# KiCad board rgbwstrip120_250_panel.kicad_pcb (continued)
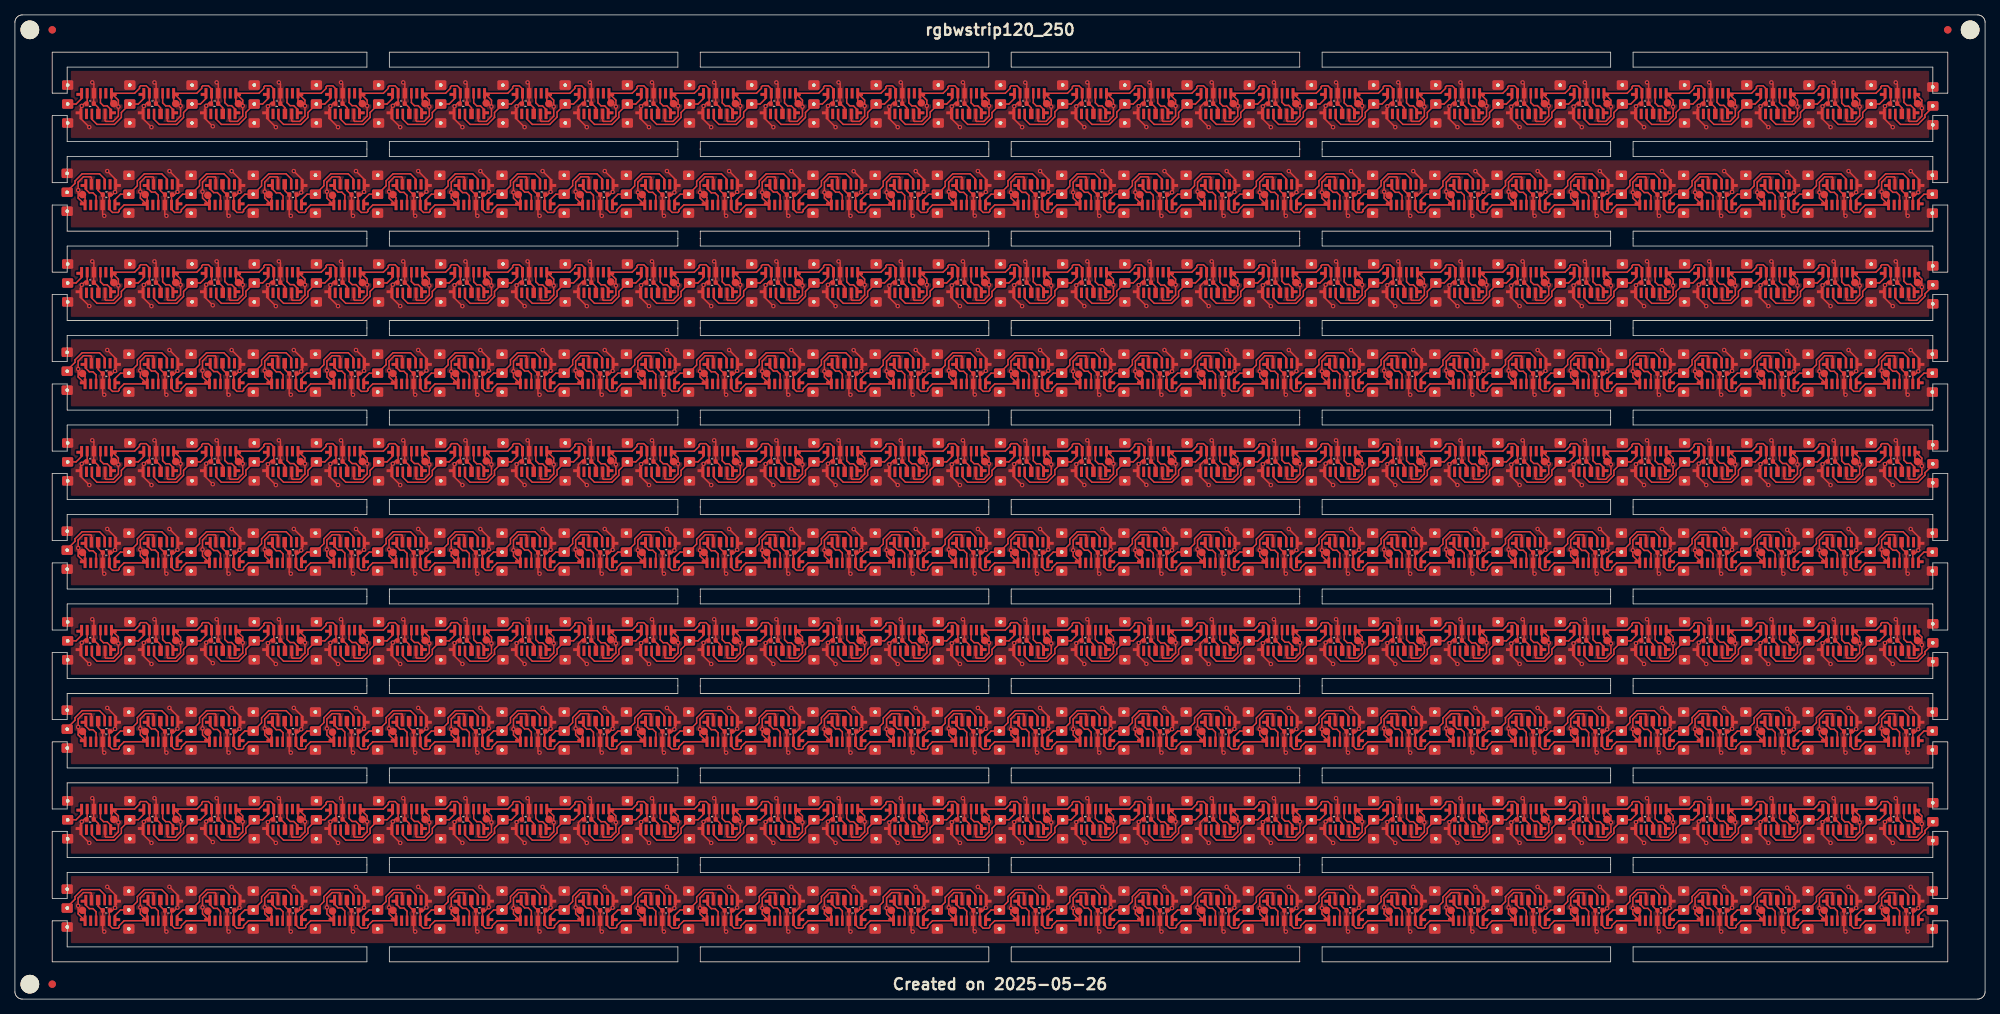
[diagram p0: board, top side]
## Nets (continued)
Board_8-unconnected-(U52-NC-Pad2): U52#4.2
Board_8-unconnected-(U53-NC-Pad2): U53#8.2
Board_8-unconnected-(U54-NC-Pad2): U54#9.2
Board_8-unconnected-(U55-NC-Pad2): U55#9.2
Board_8-unconnected-(U56-NC-Pad2): U56#6.2
Board_8-unconnected-(U57-NC-Pad2): U57#5.2
Board_8-unconnected-(U58-NC-Pad2): U58#9.2
Board_8-unconnected-(U59-NC-Pad2): U59.2
Board_8-unconnected-(U60-NC-Pad2): U60.2
Board_9-+3.3V: C1#2.1 C2#9.1 C3#5.1 C4#10.1 C5#3.1 C6#10.1 C7#2.1 C8.1 C9#2.1 C10#8.1 C11#8.1 C12#4.1 C13#5.1 C14#5.1 C15#3.1 C16#4.1 C17#2.1 C18#9.1 C19#8.1 C20#2.1 C21#8.1 C22#5.1 C23#8.1 C24#3.1 C25#6.1 C26#10.1 C27#7.1 C28#8.1 C29#2.1 C30#4.1 J1#9.1 J2#6.1 J3#2.1 J4#6.1 J5#5.1 J6#4.1 J7#7.1 J8.1 J9#10.1 J10.1 J11#6.1 J12#7.1 J13#9.1 J14#9.1 J15#8.1 J16#7.1 J17#10.1 J18#3.1 J19#10.1 J20.1 J21#10.1 J22#2.1 J23#10.1 J24#4.1 J25#10.1 J26#6.1 J27#8.1 J28#9.1 J29#6.1 J30.1 J31#8.1 K1#3.1 K2#10.1 K3.1 K4.1 K5#4.1 K6#8.1 K7#2.1 K8#2.1 K9#6.1 K10.1 K11#5.1 K12#4.1 K13#9.1 K14#6.1 K15#3.1 K16#2.1 K17#6.1 K18#4.1 K19#2.1 K20#9.1 K21#9.1 K22#7.1 K23#10.1 K24#6.1 K25#5.1 K26.1 K27#8.1 K28#2.1 K29#7.1 K30#4.1 U1#7.1 U1#7.5 U2.1 U2.5 U3#2.1 U3#2.5 U4#2.1 U4#2.5 U5#2.1 U5#2.5 U6#10.1 U6#10.5 U7#4.1 U7#4.5 U8#6.1 U8#6.5 U9#4.1 U9#4.5 U10#10.1 U10#10.5 U11#10.1 U11#10.5 U12#10.1 U12#10.5 U13#5.1 U13#5.5 U14#5.1 U14#5.5 U15#10.1 U15#10.5 U16#2.1 U16#2.5 U17#3.1 U17#3.5 U18.1 U18.5 U19#6.1 U19#6.5 U20.1 U20.5 U21.1 U21.5 U22.1 U22.5 U23#3.1 U23#3.5 U24#2.1 U24#2.5 U25#9.1 U25#9.5 U26#9.1 U26#9.5 U27#10.1 U27#10.5 U28.1 U28.5 U29.1 U29.5 U30#7.1 U30#7.5 U31#6.1 U31#6.5 U32#2.1 U32#2.5 U33#3.1 U33#3.5 U34#6.1 U34#6.5 U35#3.1 U35#3.5 U36#9.1 U36#9.5 U37#2.1 U37#2.5 U38.1 U38.5 U39#6.1 U39#6.5 U40#9.1 U40#9.5 U41#2.1 U41#2.5 U42#3.1 U42#3.5 U43#5.1 U43#5.5 U44#10.1 U44#10.5 U45.1 U45.5 U46#4.1 U46#4.5 U47#5.1 U47#5.5 U48#2.1 U48#2.5 U49.1 U49.5 U50#4.1 U50#4.5 U51#6.1 U51#6.5 U52#8.1 U52#8.5 U53#7.1 U53#7.5 U54#7.1 U54#7.5 U55#4.1 U55#4.5 U56#2.1 U56#2.5 U57#10.1 U57#10.5 U58#3.1 U58#3.5 U59#9.1 U59#9.5 U60#3.1 U60#3.5
Board_9-GND: C1#2.2 C2#9.2 C3#5.2 C4#10.2 C5#3.2 C6#10.2 C7#2.2 C8.2 C9#2.2 C10#8.2 C11#8.2 C12#4.2 C13#5.2 C14#5.2 C15#3.2 C16#4.2 C17#2.2 C18#9.2 C19#8.2 C20#2.2 C21#8.2 C22#5.2 C23#8.2 C24#3.2 C25#6.2 C26#10.2 C27#7.2 C28#8.2 C29#2.2 C30#4.2 J1#9.3 J2#6.3 J3#2.3 J4#6.3 J5#5.3 J6#4.3 J7#7.3 J8.3 J9#10.3 J10.3 J11#6.3 J12#7.3 J13#9.3 J14#9.3 J15#8.3 J16#7.3 J17#10.3 J18#3.3 J19#10.3 J20.3 J21#10.3 J22#2.3 J23#10.3 J24#4.3 J25#10.3 J26#6.3 J27#8.3 J28#9.3 J29#6.3 J30.3 J31#8.3 U1#7.4 U2.4 U3#2.4 U4#2.4 U5#2.4 U6#10.4 U7#4.4 U8#6.4 U9#4.4 U10#10.4 U11#10.4 U12#10.4 U13#5.4 U14#5.4 U15#10.4 U16#2.4 U17#3.4 U18.4 U19#6.4 U20.4 U21.4 U22.4 U23#3.4 U24#2.4 U25#9.4 U26#9.4 U27#10.4 U28.4 U29.4 U30#7.4 U31#6.4 U32#2.4 U33#3.4 U34#6.4 U35#3.4 U36#9.4 U37#2.4 U38.4 U39#6.4 U40#9.4 U41#2.4 U42#3.4 U43#5.4 U44#10.4 U45.4 U46#4.4 U47#5.4 U48#2.4 U49.4 U50#4.4 U51#6.4 U52#8.4 U53#7.4 U54#7.4 U55#4.4 U56#2.4 U57#10.4 U58#3.4 U59#9.4 U60#3.4
Board_9-Net-(J1-Pin_2): J1#9.2 U2.6
Board_9-Net-(J2-Pin_2): J2#6.2 U1#7.3 U4#2.6
Board_9-Net-(J3-Pin_2): J3#2.2 U3#2.3 U6#10.6
Board_9-Net-(J4-Pin_2): J4#6.2 U5#2.3 U8#6.6
Board_9-Net-(J5-Pin_2): J5#5.2 U7#4.3 U10#10.6
Board_9-Net-(J6-Pin_2): J6#4.2 U9#4.3 U12#10.6
Board_9-Net-(J7-Pin_2): J7#7.2 U11#10.3 U14#5.6
Board_9-Net-(J8-Pin_2): J8.2 U13#5.3 U16#2.6
Board_9-Net-(J9-Pin_2): J9#10.2 U15#10.3 U18.6
Board_9-Net-(J10-Pin_2): J10.2 U17#3.3 U20.6
Board_9-Net-(J11-Pin_2): J11#6.2 U19#6.3 U22.6
Board_9-Net-(J12-Pin_2): J12#7.2 U21.3 U24#2.6
Board_9-Net-(J13-Pin_2): J13#9.2 U23#3.3 U26#9.6
Board_9-Net-(J14-Pin_2): J14#9.2 U25#9.3 U28.6
Board_9-Net-(J15-Pin_2): J15#8.2 U27#10.3 U30#7.6
Board_9-Net-(J16-Pin_2): J16#7.2 U29.3 U32#2.6
Board_9-Net-(J17-Pin_2): J17#10.2 U31#6.3 U34#6.6
Board_9-Net-(J18-Pin_2): J18#3.2 U33#3.3 U36#9.6
Board_9-Net-(J19-Pin_2): J19#10.2 U35#3.3 U38.6
Board_9-Net-(J20-Pin_2): J20.2 U37#2.3 U40#9.6
Board_9-Net-(J21-Pin_2): J21#10.2 U39#6.3 U42#3.6
Board_9-Net-(J22-Pin_2): J22#2.2 U41#2.3 U44#10.6
Board_9-Net-(J23-Pin_2): J23#10.2 U43#5.3 U46#4.6
Board_9-Net-(J24-Pin_2): J24#4.2 U45.3 U48#2.6
Board_9-Net-(J25-Pin_2): J25#10.2 U47#5.3 U50#4.6
Board_9-Net-(J26-Pin_2): J26#6.2 U49.3 U52#8.6
Board_9-Net-(J27-Pin_2): J27#8.2 U51#6.3 U54#7.6
Board_9-Net-(J28-Pin_2): J28#9.2 U53#7.3 U56#2.6
Board_9-Net-(J29-Pin_2): J29#6.2 U55#4.3 U58#3.6
Board_9-Net-(J30-Pin_2): J30.2 U57#10.3 U60#3.6
Board_9-Net-(J31-Pin_2): J31#8.2 U59#9.3
Board_9-Net-(U1-DIN): U1#7.6 U2.3
Board_9-Net-(U3-DIN): U3#2.6 U4#2.3
Board_9-Net-(U5-DIN): U5#2.6 U6#10.3
Board_9-Net-(U7-DIN): U7#4.6 U8#6.3
Board_9-Net-(U10-DOUT): U9#4.6 U10#10.3
Board_9-Net-(U11-DIN): U11#10.6 U12#10.3
Board_9-Net-(U13-DIN): U13#5.6 U14#5.3
Board_9-Net-(U15-DIN): U15#10.6 U16#2.3
Board_9-Net-(U17-DIN): U17#3.6 U18.3
Board_9-Net-(U19-DIN): U19#6.6 U20.3
Board_9-Net-(U21-DIN): U21.6 U22.3
Board_9-Net-(U23-DIN): U23#3.6 U24#2.3
Board_9-Net-(U25-DIN): U25#9.6 U26#9.3
Board_9-Net-(U27-DIN): U27#10.6 U28.3
Board_9-Net-(U29-DIN): U29.6 U30#7.3
Board_9-Net-(U31-DIN): U31#6.6 U32#2.3
Board_9-Net-(U33-DIN): U33#3.6 U34#6.3
Board_9-Net-(U35-DIN): U35#3.6 U36#9.3
Board_9-Net-(U37-DIN): U37#2.6 U38.3
Board_9-Net-(U39-DIN): U39#6.6 U40#9.3
Board_9-Net-(U41-DIN): U41#2.6 U42#3.3
Board_9-Net-(U43-DIN): U43#5.6 U44#10.3
Board_9-Net-(U45-DIN): U45.6 U46#4.3
Board_9-Net-(U47-DIN): U47#5.6 U48#2.3
Board_9-Net-(U49-DIN): U49.6 U50#4.3
Board_9-Net-(U51-DIN): U51#6.6 U52#8.3
Board_9-Net-(U53-DIN): U53#7.6 U54#7.3
Board_9-Net-(U55-DIN): U55#4.6 U56#2.3
Board_9-Net-(U57-DIN): U57#10.6 U58#3.3
Board_9-Net-(U59-DIN): U59#9.6 U60#3.3
Board_9-unconnected-(U1-NC-Pad2): U1#7.2
Board_9-unconnected-(U2-NC-Pad2): U2.2
Board_9-unconnected-(U3-NC-Pad2): U3#2.2
Board_9-unconnected-(U4-NC-Pad2): U4#2.2
Board_9-unconnected-(U5-NC-Pad2): U5#2.2
Board_9-unconnected-(U6-NC-Pad2): U6#10.2
Board_9-unconnected-(U7-NC-Pad2): U7#4.2
Board_9-unconnected-(U8-NC-Pad2): U8#6.2
Board_9-unconnected-(U9-NC-Pad2): U9#4.2
Board_9-unconnected-(U10-NC-Pad2): U10#10.2
Board_9-unconnected-(U11-NC-Pad2): U11#10.2
Board_9-unconnected-(U12-NC-Pad2): U12#10.2
Board_9-unconnected-(U13-NC-Pad2): U13#5.2
Board_9-unconnected-(U14-NC-Pad2): U14#5.2
Board_9-unconnected-(U15-NC-Pad2): U15#10.2
Board_9-unconnected-(U16-NC-Pad2): U16#2.2
Board_9-unconnected-(U17-NC-Pad2): U17#3.2
Board_9-unconnected-(U18-NC-Pad2): U18.2
Board_9-unconnected-(U19-NC-Pad2): U19#6.2
Board_9-unconnected-(U20-NC-Pad2): U20.2
Board_9-unconnected-(U21-NC-Pad2): U21.2
Board_9-unconnected-(U22-NC-Pad2): U22.2
Board_9-unconnected-(U23-NC-Pad2): U23#3.2
Board_9-unconnected-(U24-NC-Pad2): U24#2.2
Board_9-unconnected-(U25-NC-Pad2): U25#9.2
Board_9-unconnected-(U26-NC-Pad2): U26#9.2
Board_9-unconnected-(U27-NC-Pad2): U27#10.2
Board_9-unconnected-(U28-NC-Pad2): U28.2
Board_9-unconnected-(U29-NC-Pad2): U29.2
Board_9-unconnected-(U30-NC-Pad2): U30#7.2
Board_9-unconnected-(U31-NC-Pad2): U31#6.2
Board_9-unconnected-(U32-NC-Pad2): U32#2.2
Board_9-unconnected-(U33-NC-Pad2): U33#3.2
Board_9-unconnected-(U34-NC-Pad2): U34#6.2
Board_9-unconnected-(U35-NC-Pad2): U35#3.2
Board_9-unconnected-(U36-NC-Pad2): U36#9.2
Board_9-unconnected-(U37-NC-Pad2): U37#2.2
Board_9-unconnected-(U38-NC-Pad2): U38.2
Board_9-unconnected-(U39-NC-Pad2): U39#6.2
Board_9-unconnected-(U40-NC-Pad2): U40#9.2
Board_9-unconnected-(U41-NC-Pad2): U41#2.2
Board_9-unconnected-(U42-NC-Pad2): U42#3.2
Board_9-unconnected-(U43-NC-Pad2): U43#5.2
Board_9-unconnected-(U44-NC-Pad2): U44#10.2
Board_9-unconnected-(U45-NC-Pad2): U45.2
Board_9-unconnected-(U46-NC-Pad2): U46#4.2
Board_9-unconnected-(U47-NC-Pad2): U47#5.2
Board_9-unconnected-(U48-NC-Pad2): U48#2.2
Board_9-unconnected-(U49-NC-Pad2): U49.2
Board_9-unconnected-(U50-NC-Pad2): U50#4.2
Board_9-unconnected-(U51-NC-Pad2): U51#6.2
Board_9-unconnected-(U52-NC-Pad2): U52#8.2
Board_9-unconnected-(U53-NC-Pad2): U53#7.2
Board_9-unconnected-(U54-NC-Pad2): U54#7.2
Board_9-unconnected-(U55-NC-Pad2): U55#4.2
Board_9-unconnected-(U56-NC-Pad2): U56#2.2
Board_9-unconnected-(U57-NC-Pad2): U57#10.2
Board_9-unconnected-(U58-NC-Pad2): U58#3.2
Board_9-unconnected-(U59-NC-Pad2): U59#9.2
Board_9-unconnected-(U60-NC-Pad2): U60#3.2

## Via types
v1: diameter 0.6, hole 0.3, Top to Bottom, 1180 vias

## Routing (per net, layer and track width the routed paths; a pad name or vN(x,y) marks a point on that pad's centre or on a via; arc(x,y) is an arc through that point)
Board_0-+3.3V: length 592.6
  Top w0.2: U58#7.1 249.37,121.49 250.03,122.15 250.03,122.35 250.18,122.5 250.93,122.5 251.35,122.07 U60#8.5 251.35,120.25 251.27,120.17 250.99,120.17 v1(250.59,119.76) 250.5,119.68 250.5,118.84 ; U58#7.1 247.2,120.56 v1(247.2,119.7) 247.2,118.42 246.49,117.72 245.52,117.72 245.42,117.82 U57.5 ; U58#7.1 246.27,120.38 K25#10.1 ; v1(84.96,116.95) 83.83,118.08 U19#9.1 ; 46.41,121.43 46.35,121.49 ; U57.1 242.17,118.08 v1(243.3,116.95) ; U39#10.1 167.17,118.08 v1(168.3,116.95) ; 175.5,118.84 175.5,119.68 v1(175.64,119.81) 175.99,120.17 176.27,120.17 176.35,120.25 U42#6.5 176.35,122.07 175.93,122.5 175.18,122.5 175.03,122.35 175.03,122.15 174.37,121.49 U40#7.1 ; 71.41,121.43 71.35,121.49 ; U30#3.1 129.6,120.45 K18#8.1 ; U30#3.1 130.53,120.56 v1(130.53,119.8) 130.53,118.42 129.83,117.72 128.86,117.72 128.75,117.82 U29#2.5 ; U30#3.1 132.71,121.49 133.36,122.15 133.36,122.35 133.51,122.5 134.26,122.5 134.68,122.07 U32#5.5 134.68,120.25 134.6,120.17 134.32,120.17 v1(133.9,119.75) 133.83,119.68 133.83,118.84 ; U16#5.1 71.27,120.38 K2.1 ; U16#5.1 74.37,121.49 75.03,122.15 75.03,122.35 75.18,122.5 75.93,122.5 76.35,122.07 U18#5.5 76.35,120.25 76.27,120.17 75.99,120.17 75.5,119.68 75.5,118.84 ; U16#5.1 72.2,120.56 v1(72.2,119.7) 72.2,118.42 71.49,117.72 70.52,117.72 70.42,117.82 U15#7.5 ; U52#7.1 221.27,120.38 K19.1 ; U52#7.1 222.2,120.56 v1(222.2,119.7) 222.2,118.42 221.49,117.72 220.52,117.72 220.42,117.82 U51#9.5 ; U52#7.1 224.37,121.49 225.03,122.15 225.03,122.35 225.18,122.5 225.93,122.5 226.35,122.07 U54#4.5 226.35,120.25 226.27,120.17 225.99,120.17 v1(225.64,119.81) 225.5,119.68 225.5,118.84 ; 229.74,121.43 229.68,121.49 ; U10#4.1 46.27,120.38 K16.1 ; U10#4.1 47.2,120.56 v1(47.2,119.8) 47.2,118.42 46.49,117.72 45.52,117.72 45.42,117.82 U9#2.5 ; U10#4.1 49.37,121.49 50.03,122.15 50.03,122.35 50.18,122.5 50.93,122.5 51.35,122.07 U12.5 51.35,120.25 51.27,120.17 50.99,120.17 v1(50.64,119.81) 50.5,119.68 50.5,118.84 ; U13#4.5 62.08,117.82 62.19,117.72 63.16,117.72 63.86,118.42 v1(63.85,119.7) ; U4#8.1 24.37,121.49 25.03,122.15 25.03,122.35 25.18,122.5 25.93,122.5 26.35,122.07 U6#4.5 26.35,120.25 26.27,120.17 25.99,120.17 v1(25.64,119.81) 25.5,119.68 25.5,118.84 ; U4#8.1 21.55,121.21 ; U4#8.1 22.2,120.56 v1(22.2,119.8) 22.2,118.42 21.49,117.72 20.52,117.72 20.42,117.82 U3#8.5 ; U4#8.1 21.27,120.38 K6#4.1 ; 42.17,118.84 42.17,119.68 v1(42.27,119.78) 42.66,120.17 42.94,120.17 43.02,120.25 U10#4.5 43.02,122.07 42.59,122.5 41.85,122.5 41.7,122.35 41.7,122.15 41.04,121.49 U8#3.1 ; U7#7.5 37.08,117.82 37.19,117.72 38.16,117.72 38.86,118.42 v1(38.86,119.8) 38.86,120.56 U8#3.1 ; 67.17,118.84 67.17,119.68 v1(67.22,119.73) 67.66,120.17 67.94,120.17 68.02,120.25 U16#5.5 68.02,122.07 67.59,122.5 66.85,122.5 66.7,122.35 66.7,122.15 66.04,121.49 U14#6.1 ; U36.1 155.53,120.56 v1(155.53,119.8) 155.53,118.42 154.83,117.72 153.86,117.72 153.75,117.82 U35#6.5 ; U36.1 154.6,120.45 K30#8.1 ; U36.1 157.71,121.49 158.36,122.15 158.36,122.35 158.51,122.5 159.26,122.5 159.68,122.07 U38#4.5 159.68,120.25 159.6,120.17 159.32,120.17 158.83,119.68 158.83,118.84 ; U21#9.5 95.42,117.82 95.52,117.72 96.49,117.72 97.2,118.42 v1(97.2,119.8) 97.2,120.56 U22#2.1 ; U32#5.1 141.04,121.49 141.7,122.15 141.7,122.35 141.85,122.5 142.59,122.5 143.02,122.07 U34#5.5 143.02,120.25 142.94,120.17 142.66,120.17 v1(142.22,119.73) 142.17,119.68 142.17,118.84 ; U32#5.1 138.86,120.56 v1(138.86,119.7) 138.86,118.42 138.16,117.72 137.19,117.72 137.08,117.82 U31#9.5 ; U32#5.1 137.93,120.42 K8#5.1 ; v1(101.63,116.95) 100.5,118.08 U23#8.1 ; U12.1 55.53,120.56 v1(55.53,119.7) 55.53,118.42 54.83,117.72 53.86,117.72 53.75,117.82 U11#7.5 ; U12.1 54.6,120.45 K11#8.1 ; U12.1 57.71,121.49 58.36,122.15 58.36,122.35 58.51,122.5 59.26,122.5 59.68,122.07 U14#6.5 59.68,120.25 59.6,120.17 59.32,120.17 v1(58.9,119.75) 58.83,119.68 58.83,118.84 ; K13#8.1 121.27,120.38 U28#4.1 ; K20#10.1 237.93,120.42 U56#4.1 ; v1(184.96,116.95) 183.83,118.08 U43#2.1 ; U41#7.1 175.5,118.08 v1(176.63,116.95) ; v1(63.85,119.7) 63.86,120.56 U14#6.1 ; v1(63.85,119.7) 63.38,120.17 K27#9.1 62.93,120.38 U14#6.1 ; 146.41,121.43 146.35,121.49 ; U1#3.5 12.08,117.82 12.19,117.72 13.16,117.72 13.86,118.42 v1(13.86,119.7) 13.86,120.56 U2#9.1 ; K17#5.1 104.6,120.45 U24#4.1 ; U50.1 216.04,121.49 216.7,122.15 216.7,122.35 216.85,122.5 217.59,122.5 218.02,122.07 U52#7.5 218.02,120.25 217.94,120.17 217.66,120.17 v1(217.22,119.73) 217.17,119.68 217.17,118.84 ; U50.1 212.93,120.52 K15#2.1 ; U50.1 213.86,120.56 v1(213.86,119.7) 213.86,118.42 213.16,117.72 212.19,117.72 212.08,117.82 U49#3.5 ; U51#9.1 217.17,118.08 v1(218.3,116.95) ; U2#9.1 16.04,121.49 16.7,122.15 16.7,122.35 16.85,122.5 17.59,122.5 18.02,122.07 U4#8.5 18.02,120.25 17.94,120.17 17.66,120.17 v1(17.27,119.78) 17.17,119.68 17.17,118.84 ; U2#9.1 12.93,120.42 K1#5.1 ; U2#9.1 13.25,121.18 ; U40#7.1 171.27,120.48 K9#10.1 ; U40#7.1 172.2,120.56 v1(172.2,119.8) 172.2,118.42 171.49,117.72 170.52,117.72 170.42,117.82 U39#10.5 ; 79.74,121.43 79.68,121.49 ; 200.5,118.84 v1(200.5,119.68) 200.99,120.17 201.27,120.17 201.35,120.25 U48#10.5 201.35,122.07 200.93,122.5 200.18,122.5 200.03,122.35 200.03,122.15 199.37,121.49 U46.1 ; U54#4.1 232.71,121.49 233.36,122.15 233.36,122.35 233.51,122.5 234.26,122.5 234.68,122.07 U56#4.5 234.68,120.25 234.6,120.17 234.32,120.17 v1(233.9,119.75) 233.83,119.68 233.83,118.84 ; U54#4.1 229.6,120.45 K24#4.1 ; U54#4.1 230.53,120.56 v1(230.53,119.7) 230.53,118.42 229.83,117.72 228.86,117.72 228.75,117.82 U53#5.5 ; U37#8.5 162.08,117.82 162.19,117.72 163.16,117.72 163.86,118.42 v1(163.86,119.8) 163.86,120.56 U38#4.1 ; 183.83,118.84 183.83,119.68 v1(183.9,119.75) 184.32,120.17 184.6,120.17 184.68,120.25 U44#9.5 184.68,122.07 184.26,122.5 183.51,122.5 183.36,122.35 183.36,122.15 182.71,121.49 U42#6.1 ; U18#5.1 82.71,121.49 83.36,122.15 83.36,122.35 83.51,122.5 84.26,122.5 84.68,122.07 U20#4.5 84.68,120.25 84.6,120.17 84.32,120.17 v1(83.9,119.75) 83.83,119.68 83.83,118.84 ; U18#5.1 80.53,120.56 v1(80.53,119.7) ; U18#5.1 79.6,120.45 K7#9.1 80.03,120.2 v1(80.53,119.7) ; U20#4.1 87.93,120.42 K12#3.1 ; U20#4.1 91.04,121.49 91.7,122.15 91.7,122.35 91.85,122.5 92.59,122.5 93.02,122.07 U22#2.5 93.02,120.25 92.94,120.17 92.66,120.17 v1(92.27,119.78) 92.17,119.68 92.17,118.84 ; U20#4.1 88.86,120.56 v1(88.86,119.8) 88.86,118.42 88.16,117.72 87.19,117.72 87.08,117.82 U19#9.5 ; U8#3.1 38.25,121.17 ; U8#3.1 37.93,120.42 K21#8.1 ; U42#6.1 179.6,120.45 K10#10.1 ; U42#6.1 180.53,120.56 v1(180.53,119.8) 180.53,118.42 179.83,117.72 178.86,117.72 178.75,117.82 U41#7.5 ; U47#9.1 200.5,118.08 v1(201.63,116.95) ; v1(80.53,119.7) 80.53,118.42 79.83,117.72 78.86,117.72 78.75,117.82 U17#7.5 ; U47#9.5 203.75,117.82 203.86,117.72 204.83,117.72 205.53,118.42 v1(205.53,119.8) 205.53,120.56 U48#10.1 ; U15#7.1 67.17,118.08 v1(68.3,116.95) ; U9#2.1 42.17,118.08 v1(43.3,116.95) ; U22#2.1 96.27,120.38 K22#10.1 ; U22#2.1 99.37,121.49 100.03,122.15 100.03,122.35 100.18,122.5 100.93,122.5 101.35,122.07 U24#4.5 101.35,120.25 101.27,120.17 100.99,120.17 v1(100.59,119.76) 100.5,119.68 100.5,118.84 ; U46.1 197.2,120.56 v1(197.2,119.8) 197.2,118.42 196.49,117.72 195.52,117.72 195.42,117.82 U45#6.5 ; U46.1 196.27,120.38 K23#9.1 ; v1(234.96,116.95) 233.83,118.08 U55#6.1 ; U13#4.1 58.83,118.08 v1(59.96,116.95) ; U56#4.1 238.86,120.56 v1(238.86,119.7) 238.86,118.42 238.16,117.72 237.19,117.72 237.08,117.82 U55#6.5 ; U56#4.1 241.04,121.49 241.7,122.15 241.7,122.35 241.85,122.5 242.59,122.5 243.02,122.07 U58#7.5 243.02,120.25 242.94,120.17 242.66,120.17 v1(242.22,119.73) 242.17,119.68 242.17,118.84 ; U28#4.1 122.2,120.56 v1(122.2,119.8) 122.2,118.42 121.49,117.72 120.52,117.72 120.42,117.82 U27#8.5 ; U28#4.1 124.37,121.49 125.03,122.15 125.03,122.35 125.18,122.5 125.93,122.5 126.35,122.07 U30#3.5 126.35,120.25 126.27,120.17 125.99,120.17 v1(125.54,119.71) 125.5,119.68 125.5,118.84 ; 246.41,121.43 246.35,121.49 ; U48#10.1 204.6,120.45 K28#7.1 ; U48#10.1 207.71,121.49 208.36,122.15 208.36,122.35 208.51,122.5 209.26,122.5 209.68,122.07 U50.5 209.68,120.25 209.6,120.17 209.32,120.17 v1(208.85,119.7) 208.83,119.68 208.83,118.84 ; U5#7.5 28.75,117.82 28.86,117.72 29.83,117.72 30.53,118.42 v1(30.53,119.8) 30.53,120.56 U6#4.1 ; U21#9.1 92.17,118.08 v1(93.3,116.95) ; U31#9.1 133.83,118.08 v1(134.96,116.95) ; U34#5.1 146.27,120.38 K4#8.1 ; U34#5.1 147.2,120.56 v1(147.2,119.8) 147.2,118.42 146.49,117.72 145.52,117.72 145.42,117.82 U33#5.5 ; U34#5.1 149.37,121.49 150.03,122.15 150.03,122.35 150.18,122.5 150.93,122.5 151.35,122.07 U36.5 151.35,120.25 151.27,120.17 150.99,120.17 v1(150.59,119.76) 150.5,119.68 150.5,118.84 ; 108.83,118.84 108.83,119.68 v1(108.95,119.8) 109.32,120.17 109.6,120.17 109.68,120.25 U26#4.5 109.68,122.07 109.26,122.5 108.51,122.5 108.36,122.35 108.36,122.15 107.71,121.49 U24#4.1 ; 121.41,121.43 121.35,121.49 ; 26.63,116.95 v1(26.51,117.06) 25.5,118.08 U5#7.1 ; 213.08,121.43 213.02,121.49 ; K14#9.1 187.93,120.42 U44#9.1 ; v1(109.96,116.95) 108.83,118.08 U25#8.1 ; 33.83,118.84 33.83,119.68 v1(33.9,119.75) 34.32,120.17 34.6,120.17 34.68,120.25 U8#3.5 34.68,122.07 34.26,122.5 33.51,122.5 33.36,122.35 33.36,122.15 32.71,121.49 U6#4.1 ; U53#5.1 225.5,118.08 v1(226.63,116.95) ; K5#5.1 162.93,120.42 U38#4.1 ; 179.74,121.43 179.68,121.49 ; U7#7.1 33.83,118.08 v1(34.96,116.95) ; v1(118.3,116.95) 117.17,118.08 U27#8.1 ; U35#6.1 150.5,118.08 v1(151.61,116.96) 151.63,116.95 ; 163.08,121.43 163.02,121.49 ; 196.41,121.43 196.35,121.49 ; 167.17,118.84 167.17,119.68 v1(167.22,119.73) 167.66,120.17 167.94,120.17 168.02,120.25 U40#7.5 168.02,122.07 167.59,122.5 166.85,122.5 166.7,122.35 166.7,122.15 166.04,121.49 U38#4.1 ; U25#8.5 112.08,117.82 112.19,117.72 113.16,117.72 113.86,118.42 v1(113.86,119.8) 113.86,120.56 U26#4.1 ; U1#3.1 8.83,118.08 v1(9.96,116.95) ; U44#9.1 188.86,120.56 v1(188.86,119.7) 188.86,118.42 188.16,117.72 187.19,117.72 187.08,117.82 U43#2.5 ; U44#9.1 191.04,121.49 191.7,122.15 191.7,122.35 191.85,122.5 192.59,122.5 193.02,122.07 U46.5 193.02,120.25 192.94,120.17 192.66,120.17 v1(192.22,119.73) 192.17,119.68 192.17,118.84 ; U24#4.1 105.53,120.56 v1(105.53,119.7) 105.53,118.42 104.83,117.72 103.86,117.72 103.75,117.82 U23#8.5 ; 54.74,121.43 54.68,121.49 ; 254.74,121.43 254.68,121.49 ; 96.41,121.43 96.35,121.49 ; U37#8.1 158.83,118.08 v1(159.96,116.95) ; U17#7.1 75.5,118.08 v1(76.63,116.95) ; 204.74,121.43 204.68,121.49 ; 8.83,118.84 8.83,119.68 v1(8.95,119.8) 9.32,120.17 9.6,120.17 9.68,120.25 U2#9.5 9.68,122.07 ; U45#6.1 192.17,118.08 v1(193.3,116.95) ; v1(126.63,116.95) 125.5,118.08 U29#2.1 ; 188.08,121.43 188.02,121.49 ; 104.74,121.43 104.68,121.49 ; U59#10.5 253.75,117.82 253.86,117.72 254.83,117.72 255.53,118.42 v1(255.53,119.5) 255.53,120.56 U60#8.1 254.6,120.45 K29#6.1 ; U26#4.1 116.04,121.49 116.7,122.15 116.7,122.35 116.85,122.5 117.59,122.5 118.02,122.07 U28#4.5 118.02,120.25 117.94,120.17 117.66,120.17 v1(117.17,119.68) 117.17,119.68 117.17,118.84 ; U26#4.1 112.93,120.42 K3#5.1 ; 171.41,121.43 171.35,121.49 ; U11#7.1 50.5,118.08 v1(51.63,116.95) ; U49#3.1 208.83,118.08 v1(209.96,116.95) ; v1(251.63,116.95) 250.5,118.08 U59#10.1 ; 29.74,121.43 29.68,121.49 ; U3#8.1 17.17,118.08 v1(18.3,116.95) ; U6#4.1 29.6,120.45 K26#4.1 ; 138.08,121.43 138.02,121.49 ; v1(143.3,116.95) 142.17,118.08 U33#5.1 ; 88.08,121.43 88.02,121.49 ; 13.08,121.43 13.02,121.49 ; 238.08,121.43 238.02,121.49 ; 113.08,121.43 113.02,121.49 ; 38.08,121.43 38.02,121.49 ; 154.74,121.43 154.68,121.49 ; 21.41,121.43 21.35,121.49 ; 129.74,121.43 129.68,121.49 ; 63.08,121.43 63.02,121.49 ; 221.41,121.43 221.35,121.49
Board_0-GND: length 133.9
  Top w0.2: v1(218.7,122.95) 218.92,122.73 U52#7.4 218.9,121.47 218.9,120.17 219.52,119.55 219.52,118.84 ; v1(35.36,122.95) 35.58,122.73 U8#3.4 35.56,121.47 35.56,120.17 36.18,119.55 36.18,118.84 ; 69.52,118.84 69.52,119.55 68.9,120.17 68.9,121.47 U16#5.4 68.92,122.73 v1(68.7,122.95) ; 202.85,118.84 202.85,119.55 202.23,120.17 202.23,121.47 U48#10.4 202.25,122.73 v1(202.03,122.95) ; 194.52,118.84 194.52,119.55 193.9,120.17 193.9,121.47 U46.4 193.92,122.73 v1(193.7,122.95) ; v1(27.03,122.95) 27.25,122.73 U6#4.4 27.23,121.47 27.23,120.17 27.85,119.55 27.85,118.84 ; 135.36,122.95 v1(135.38,122.93) 135.58,122.73 U32#5.4 135.56,121.47 135.56,120.17 136.18,119.55 136.18,118.84 ; 77.85,118.84 77.85,119.55 77.23,120.17 77.23,121.47 U18#5.4 77.25,122.73 v1(77.03,122.95) ; 236.18,118.84 236.18,119.55 235.56,120.17 235.56,121.47 U56#4.4 235.58,122.73 v1(235.36,122.95) ; v1(118.7,122.95) 118.92,122.73 U28#4.4 118.9,121.47 118.9,120.17 119.52,119.55 119.52,118.84 ; v1(143.7,122.95) 143.92,122.73 U34#5.4 143.9,121.47 143.9,120.17 144.52,119.55 144.52,118.84 ; v1(168.7,122.95) 168.92,122.73 U40#7.4 168.9,121.47 168.9,120.17 169.52,119.55 169.52,118.84 ; 102.85,118.84 102.85,119.55 102.23,120.17 102.23,121.47 U24#4.4 102.25,122.73 v1(102.03,122.95) ; 177.85,118.84 177.85,119.55 177.23,120.17 177.23,121.47 U42#6.4 177.25,122.73 v1(177.03,122.95) ; 243.7,122.95 v1(243.7,122.95) 243.92,122.73 U58#7.4 243.9,121.47 243.9,120.17 244.52,119.55 244.52,118.84 ; 86.18,118.84 86.18,119.55 85.56,120.17 85.56,121.47 U20#4.4 85.58,122.73 v1(85.36,122.95) ; 111.18,118.84 111.18,119.55 110.56,120.17 110.56,121.47 U26#4.4 110.58,122.73 v1(110.36,122.95) ; v1(152.03,122.95) 152.25,122.73 U36.4 152.23,121.47 152.23,120.17 152.85,119.55 152.85,118.84 ; v1(210.36,122.95) 210.58,122.73 U50.4 210.56,121.47 210.56,120.17 211.18,119.55 211.18,118.84 ; 161.18,118.84 161.18,119.55 160.56,120.17 160.56,121.47 U38#4.4 160.58,122.73 v1(160.36,122.95) ; v1(93.7,122.95) 93.92,122.73 U22#2.4 93.9,121.47 93.9,120.17 94.52,119.55 94.52,118.84 ; v1(185.36,122.95) 185.58,122.73 U44#9.4 185.56,121.47 185.56,120.17 186.18,119.55 186.18,118.84 ; v1(252.03,122.95) 252.25,122.73 U60#8.4 252.23,121.47 252.23,120.17 252.85,119.55 252.85,118.84 ; 11.18,118.84 11.18,119.55 10.56,120.17 10.56,121.47 U2#9.4 10.58,122.73 v1(10.36,122.95) ; v1(43.7,122.95) 43.92,122.73 U10#4.4 43.9,121.47 43.9,120.17 44.52,119.55 44.52,118.84 ; 19.52,118.84 19.52,119.55 18.9,120.17 18.9,121.47 U4#8.4 18.92,122.73 v1(18.7,122.95) ; v1(52.03,122.95) 52.25,122.73 U12.4 52.23,121.47 52.23,120.17 52.85,119.55 52.85,118.84 ; v1(127.03,122.95) 127.25,122.73 U30#3.4 127.23,121.47 127.23,120.17 127.85,119.55 127.85,118.84 ; 61.18,118.84 61.18,119.55 60.56,120.17 60.56,121.47 U14#6.4 60.58,122.73 v1(60.36,122.95) ; 227.85,118.84 227.85,119.55 227.23,120.17 227.23,121.47 U54#4.4 227.25,122.73 v1(227.03,122.95)
Board_0-Net-(J1-Pin_2): length 2.8
  Top w0.2: 7.16,120.05 8.19,120.05 8.93,120.79 U2#9.6
Board_0-Net-(J2-Pin_2): length 10.4
  Top w0.2: J2#10.2 14.26,118.91 14.26,118.25 13.33,117.32 10.99,117.32 10.31,118 10.31,118.72 ; U4#8.6 17.27,120.79 16.53,120.05 15.5,120.05
Board_0-Net-(J3-Pin_2): length 10.4
  Top w0.2: U6#4.6 25.6,120.79 24.86,120.05 23.83,120.05 ; J3#10.2 22.6,118.91 22.6,118.25 21.66,117.32 19.33,117.32 18.65,118 18.65,118.72
Board_0-Net-(J4-Pin_2): length 10.4
  Top w0.2: U8#3.6 33.93,120.79 33.19,120.05 32.16,120.05 ; 26.98,118.72 26.98,118 27.66,117.32 30,117.32 30.95,118.27 30.95,118.93 J4#2.2
Board_0-Net-(J5-Pin_2): length 10.4
  Top w0.2: U10#4.6 42.27,120.79 41.53,120.05 40.5,120.05 ; J5#6.2 39.26,118.91 39.26,118.25 38.33,117.32 35.99,117.32 35.31,118 35.31,118.72
Board_0-Net-(J6-Pin_2): length 10.4
  Top w0.2: U12.6 50.6,120.79 49.86,120.05 48.83,120.05 ; J6.2 47.6,118.91 47.6,118.25 46.66,117.32 44.33,117.32 43.65,118 43.65,118.72
Board_0-Net-(J7-Pin_2): length 10.4
  Top w0.2: J7#6.2 55.93,118.91 55.93,118.25 55,117.32 52.66,117.32 51.98,118 51.98,118.72 ; 57.16,120.05 58.19,120.05 58.93,120.79 U14#6.6
Board_0-Net-(J8-Pin_2): length 10.4
  Top w0.2: U16#5.6 67.27,120.79 66.53,120.05 65.5,120.05 ; 60.31,118.72 60.31,118 60.99,117.32 63.33,117.32 64.26,118.25 64.26,118.26 64.27,118.26 64.26,118.42 64.26,118.91 J8#4.2
Board_0-Net-(J9-Pin_2): length 10.4
  Top w0.2: U18#5.6 75.6,120.79 74.86,120.05 73.83,120.05 ; J9.2 72.65,118.97 72.65,118.3 71.66,117.32 69.33,117.32 68.65,118 68.65,118.72
Board_0-Net-(J10-Pin_2): length 10.4
  Top w0.2: U20#4.6 83.93,120.79 83.19,120.05 82.16,120.05 ; J10#5.2 80.93,118.91 80.93,118.25 80,117.32 77.66,117.32 76.98,118 76.98,118.72
Board_0-Net-(J11-Pin_2): length 10.4
  Top w0.2: 85.31,118.72 85.31,118 85.99,117.32 88.33,117.32 89.26,118.25 89.26,118.91 J11#10.2 ; 90.5,120.05 91.53,120.05 92.27,120.79 U22#2.6
Board_0-Net-(J12-Pin_2): length 10.4
  Top w0.2: U24#4.6 100.6,120.79 99.86,120.05 98.83,120.05 ; J12#9.2 97.65,118.97 97.65,118.3 96.66,117.32 94.33,117.32 93.65,118 93.65,118.72
Board_0-Net-(J13-Pin_2): length 10.4
  Top w0.2: 107.16,120.05 108.19,120.05 108.93,120.79 U26#4.6 ; 101.98,118.72 101.98,118 102.66,117.32 105,117.32 105.93,118.25 105.93,118.91 J13#7.2